# Allegro board Single PMT Data AcquisitionV_3P3.brd (continued)
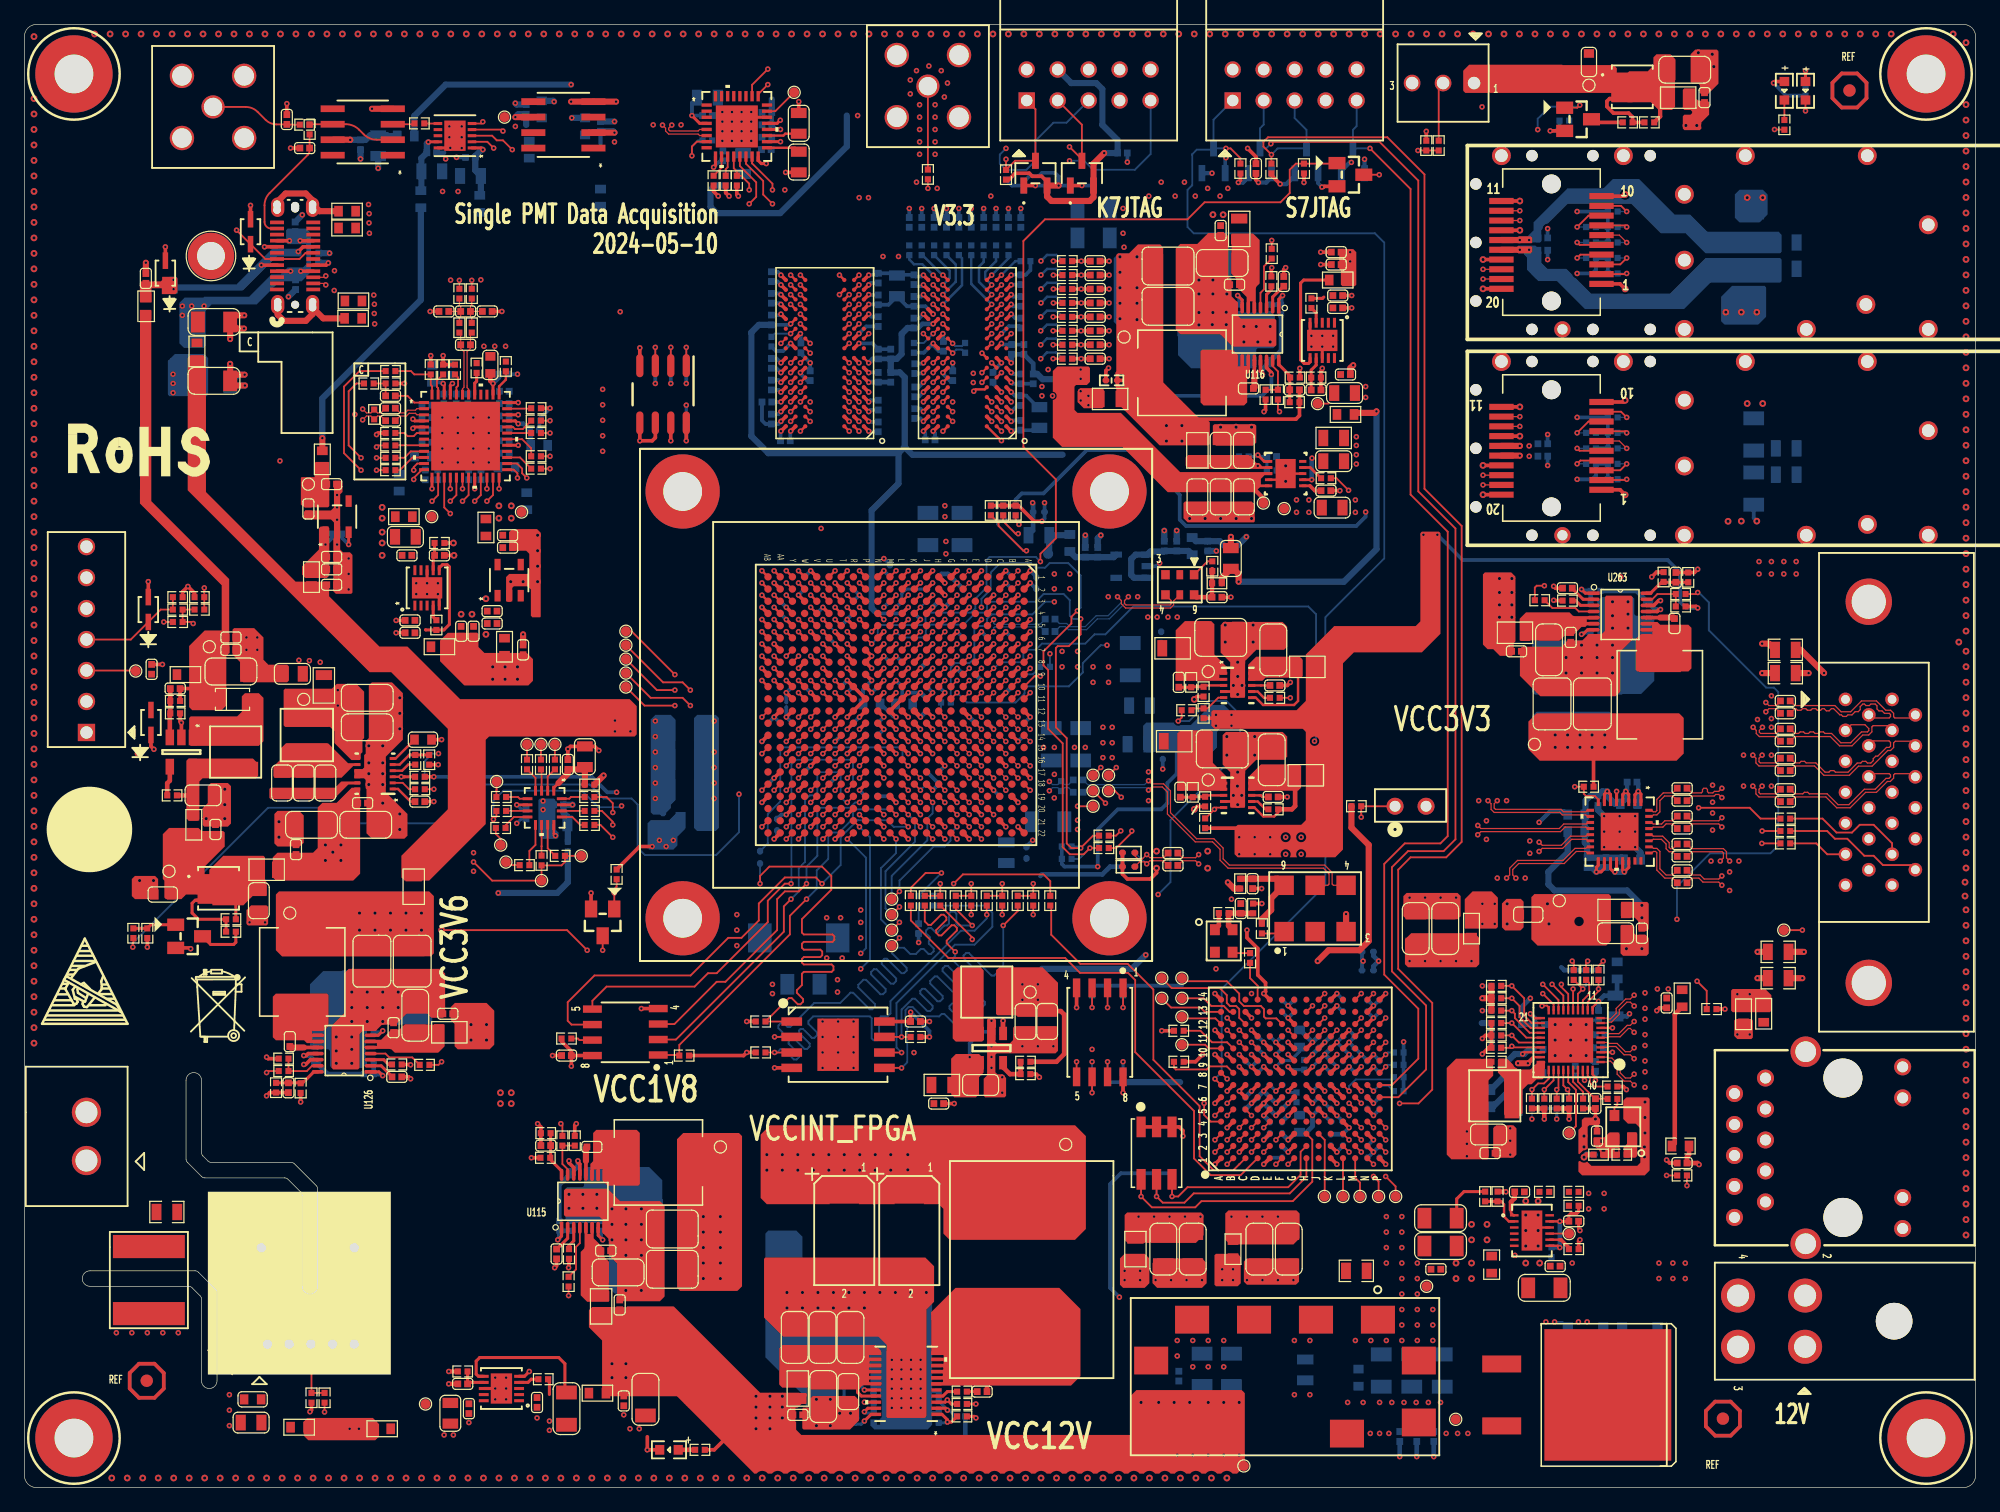
[diagram p0: board, top side]
## Library data of the parts (continued)
C859 = 10UF_1: signal model: SC0402_100NF/10V
C905 C943 C1144 C1158 C1175 C1189 C1202 C1264 C1271 C1347 C2087 C2416 C2417 C2435 C2467 C2468 C2471 = 1UF_0
C908 C944 = 1UF_0: signal model: SC0402_100NF/10V
C939-C942 = 0_01UF_0: signal model: 0_01UF_0_C0402_0.1UF_0.1UF
C1134 C1137-C1139 C1142 C1147 C1149 C1150 C1339 C1349 C2382 C2479 C2962-C2964 = 10UF_2
C2451-C2466 = 0_01UF_1: signal model: 0_01UF_1_C0402_0.1UF_0.1UF
CC1 CC7 CC8 = 680UF_TANT_E_1
CR1 CR4 = PESD3V3L1BA
CR2 CR3 = PESD15VL1BA
D1 = DIODE SCHOTTKY_0
D2-D9 = BAT54CLT1G_2
DS10 DS18 DS24 = LED-GRN-SMT_LED_2
J1 J56 = 10PIN_CONNECTOR_1
J2 = USB4160-03-0230-C
J6 = KRJ-320DNL_1
J18 = POWER_HDR_1
J31 J71 = SMA_3
J60 = Single PMT Socket_3
J61 = HDR_5
J75 = 12226-5150-00FR_camera_conn
J76 = 0022112022
J77 = CON_2
J78 = THS103J
L3 L5-L7 L34-L36 L40-L45 L47 L48 L50-L52 L54 L55 L89-L93 L95 L96 L98-L102 L111 L115 L117 L118 L122 L125 L126 L129-L132 L134 L163 L164 L233 L237 L242-L245 L261 L263 L265 L266 L268 L269 L273 L278-L298 = BLM15HD102SN1_0
L85 = 2773021447_1
L86 L94 L97 L112 L116 L228 L239 L246 = INDUCTOR3_1
MH1-MH5 = HOLE_MH_125_3
P3 P4 = 74441-0010_1
Q1 = 2SK1824_1
Q10 Q15 Q21 Q23 = NDS331N_SOT23_1
Q20 Q22 = CSD25402Q3A_1
R4 R8 R11-R14 R41 R42 R391 R392 R496-R501 R516 R658-R660 R784 R785 R845 R849-R851 R856 R857 R860-R875 R916 R2050 R2104-R2107 R2120 R2121 R2135 R2144-R2151 R2153 = 4_7K_0
R87 = 249_0402
R165 = 100_1
R219-R221 R455 R456 R667 R668 R975 R981 R1033 R1034 R1036-R1050 R1057 R1058 R1062 R1063 R1065 R1068 R1072-R1074 R1076 R1083 R1085 R1086 R1089 R1091 R1098 R1100 R1112-R1114 R1129 R1130 R1138 R1139 R1144 R1146 R1147 R1150 R1196 R1198 R1882 R1883 R1885 R1919 R2036-R2039 R2083 R2097 R2099 R2128-R2130 R2136-R2139 R2152 R2170 = 10_0K_0
R233 R502-R512 R670 R676 R678 R680 = 15_1: signal model: 15_1_R0402
R276 R337-R342 R657 R1928 R2154-R2160 = 1_00K_0
R395 R396 R787 R834 R835 = 261_0
R458 R490 = 100_C402_0
R459 R665 R666 R786 R788-R791 R844 R848 R852-R855 R858 R933 R934 R936 R937 R943-R946 R965-R968 R971-R973 R976-R980 R984 R986 R993 R1059-R1061 R1064 R1066 R1067 R1069-R1071 R1075 R1077-R1080 R1084 R1101 R1115 R1116 R1140-R1143 R1145 R1185 R1197 R1884 R1886 R1918 R1929 R1932 R2034 R2046-R2048 R2084-R2087 R2098 R2102 R2118 R2119 R2122-R2126 R2131-R2134 R2167-R2169 = 0_0
R460-R478 R481 R482 R488 R2140-R2143 = 80_6_0
R479 R480 R483 R484 = 80_6_0: signal model: SR0402-BGA_0
R517 = 4_7K_0: signal model: SR0603_49.9
R669 = 0_0: signal model: SR0603_49.9
R833 = 15_1
R970 R2076 R2077 = 0_0: signal model: R0402
R974 = 49_9_0
R982 R2127 = 100_0
R2116 = 0_1
TP15 TP20 TP30 TP37-TP41 TP43-TP45 TP47-TP49 TP52 TP58 TP60-TP62 TP64 TP65 TP68 TP69 TP77 TP79 TP80 TP83 TP87 TP88 TP90-TP98 TP100-TP106 TP112-TP114 TP116 TP133-TP146 = TEST-POINT_1
U1 = xc7k70tfbg484
U7 = W25Q16DVUUIG_3
U23 = TPS51200DRCT_0
U75 U76 = MT41K512M16TNA-125_2
U79 = TMP75BIDR_1
U88 = XC7S15-1FTGB196I_2
U89 = W25Q16DVUUIG_4
U90 U94 = NZ2520SB_2
U93 = RTL8211F_2
U95 = C9619-01_C10940-03_1
U98 = AD5592RBCPZ-1-RL7_0
U102 = AD9265BCPZ_0
U103 = SIT5021AI-2DE-33E-100_0.000000X
U111 = QPI-12LZ
U112 = LT4356-1_1
U113 = TPS53353DQPR_5
U115 U116 U126 U263 = LT8610EMSE_3
U118 U119 = TPS7A9201DSKR_3
U124 = TLV62565DBVR_1
U127 U129 U133 = LT3045EDDPBF
U130 U132 U272 = R1112NXX1B_0
U134 = HEAT_SINK_5
U236 = TPS63710DRRR_2
U261 = LMR64010XMFE_0
U264 = ADR4520BRZ
U267 = CDCM61001
U268 = AD5542ABCPZ-1-RL7
U269 = ADA4523-1BRZ
U270 = SiT9102AI-23FN33E200.00000Y
U271 = DS90LV804TSQNOPB_0
U273 = AT25M01-SHM-B_1

## Footprints (pads in the part's own frame, mm; a bottom-side part is the same pattern mirrored in y, then rotated)
25AA512T
  rect 0.61x1.549 smd: 1(-1.861,-2.7) 2(-0.591,-2.7) 3(0.679,-2.7) 4(1.949,-2.7) 5(1.905,2.7) 6(0.635,2.7) 7(-0.635,2.7) 8(-1.905,2.7)
10226-55G3PC
  round 3.81 hole 2.794: (-15.63,-1.216) (15.63,-1.216)
  round 1.118 hole 0.711: 1(-7.62,-3.126) 2(-6.35,-1.216) 3(-5.08,-3.126) 4(-3.81,-1.216) 5(-2.54,-3.126) 6(-1.27,-1.216) 7(0,-3.126) 8(1.27,-1.216) 9(2.54,-3.126) 10(3.81,-1.216) 11(5.08,-3.126) 12(6.35,-1.216) 13(7.62,-3.126) 14(-7.62,0.694) 15(-6.35,2.604) 16(-5.08,0.694) 17(-3.81,2.604) 18(-2.54,0.694) 19(-1.27,2.604) 20(0,0.694) 21(1.27,2.604) 22(2.54,0.694) 23(3.81,2.604) 24(5.08,0.694) 25(6.35,2.604) 26(7.62,0.694)
0022112032
  rect 1.372x1.372 hole 1.016: 1(-2.54,0)
  round 1.372 hole 1.016: 2(0,0) 3(2.54,0)
0022112072
  rect 1.422x1.422 hole 1.016: 1(-7.62,0)
  round 1.422 hole 1.016: 2(-5.08,0) 3(-2.54,0) 4(0,0) 5(2.54,0) 6(5.08,0) 7(7.62,0)
0039301040
  round 2.997 hole 2.997: (0,-3.8)
  round 2.794 hole 1.803: 1(-2.1,3.5) 2(2.1,3.5) 3(-2.1,9) 4(2.1,9)
0353130260
  round 2.4 hole 1.8: 1(-1.98,0) 2(1.98,0)
0744410010_0747370010
  round 0.94 hole 0.94 unplated: (22.799,8.58) (22.799,-5.669) (27.501,8.58) (27.501,-5.669) (32.499,8.58) (32.499,-5.669) (37.099,6.251) (37.099,1.45) (37.099,-3.35)
  round 1.549 hole 1.549 unplated: (30.899,6.251) (30.899,-3.35)
  rect 2.007x0.508 smd: 1(26.799,4.849) 2(26.799,4.049) 3(26.799,3.249) 4(26.799,2.449) 5(26.799,1.649) 6(26.799,0.849) 7(26.799,0.049) 8(26.799,-0.751) 9(26.799,-1.551) 10(26.799,-2.351) 11(35.001,-1.95) 12(35.001,-1.15) 13(35.001,-0.35) 14(35.001,0.45) 15(35.001,1.25) 16(35.001,2.05) 17(35.001,2.85) 18(35.001,3.65) 19(35.001,4.45) 20(35.001,5.25)
  round 1.346 hole 0.838: 21(30,8.58)
  round 1.549 hole 1.041: 22(20,8.58) 23(10,8.58) 24(0,8.58) 25(0,0) 26(5.001,-5.669) 27(15.001,-5.669) 28(25.001,-5.669) 29(35.001,-5.669) 30(20,-2.499) 31(20,2.901) 32(4.99,7.688)
0744410010_0747370010#2
  round 0.94 hole 0.94 unplated: (22.799,8.58) (22.799,-5.669) (27.501,8.58) (27.501,-5.669) (32.499,8.58) (32.499,-5.669) (37.099,6.251) (37.099,1.45) (37.099,-3.35)
  round 1.549 hole 1.549 unplated: (30.899,6.251) (30.899,-3.35)
  rect 2.007x0.508 smd: 1(26.799,4.849) 2(26.799,4.049) 3(26.799,3.249) 4(26.799,2.449) 5(26.799,1.649) 6(26.799,0.849) 7(26.799,0.049) 8(26.799,-0.751) 9(26.799,-1.551) 10(26.799,-2.351) 11(35.001,-1.95) 12(35.001,-1.15) 13(35.001,-0.35) 14(35.001,0.45) 15(35.001,1.25) 16(35.001,2.05) 17(35.001,2.85) 18(35.001,3.65) 19(35.001,4.45) 20(35.001,5.25)
  round 1.346 hole 0.838: 21(30,8.58)
  round 1.549 hole 1.041: 22(20,8.58) 23(10,8.58) 24(0,8.58) 25(0,0) 26(5.001,-5.669) 27(15.001,-5.669) 28(25.001,-5.669) 29(35.001,-5.669) 30(20,-2.499) 31(20,2.901) 32(5.117,6.537)
AD5542ABCPZ-1-RL7
  rect 0.711x0.254 smd: 1(-1.397,1) 2(-1.397,0.5) 3(-1.397,0) 4(-1.397,-0.5) 5(-1.397,-1) 6(1.397,-1) 7(1.397,-0.5) 8(1.397,0) 9(1.397,0.5) 10(1.397,1)
  rect 1.753x2.489 smd: 11(0,0)
AD5592RBCPZ-1-RL7
  rect 0.805x0.249 smd: 1(-1.402,0.75) 2(-1.402,0.25) 3(-1.402,-0.25) 4(-1.402,-0.75) 9(1.402,-0.75) 10(1.402,-0.25) 11(1.402,0.25) 12(1.402,0.75)
  rect 0.249x0.805 smd: 5(-0.75,-1.402) 6(-0.25,-1.402) 7(0.25,-1.402) 8(0.75,-1.402) 13(0.75,1.402) 14(0.25,1.402) 15(-0.25,1.402) 16(-0.75,1.402)
AD9265BCPZ
  rect 0.813x0.254 smd: 1(-3.404,2.75) 2(-3.404,2.25) 3(-3.404,1.75) 4(-3.404,1.25) 5(-3.404,0.75) 6(-3.404,0.25) 7(-3.404,-0.25) 8(-3.404,-0.75) 9(-3.404,-1.25) 10(-3.404,-1.75) 11(-3.404,-2.25) 12(-3.404,-2.75) 25(3.404,-2.75) 26(3.404,-2.25) 27(3.404,-1.75) 28(3.404,-1.25) 29(3.404,-0.75) 30(3.404,-0.25) 31(3.404,0.25) 32(3.404,0.75) 33(3.404,1.25) 34(3.404,1.75) 35(3.404,2.25) 36(3.404,2.75)
  rect 0.254x0.813 smd: 13(-2.75,-3.404) 14(-2.25,-3.404) 15(-1.75,-3.404) 16(-1.25,-3.404) 17(-0.75,-3.404) 18(-0.25,-3.404) 19(0.25,-3.404) 20(0.75,-3.404) 21(1.25,-3.404) 22(1.75,-3.404) 23(2.25,-3.404) 24(2.75,-3.404) 37(2.75,3.404) 38(2.25,3.404) 39(1.75,3.404) 40(1.25,3.404) 41(0.75,3.404) 42(0.25,3.404) 43(-0.25,3.404) 44(-0.75,3.404) 45(-1.25,3.404) 46(-1.75,3.404) 47(-2.25,3.404) 48(-2.75,3.404)
  rect 5.639x5.639 smd: 49(0,0)
ADA4523-1BRZ
  rect 1.981x0.551 smd: 1(-2.465,1.905) 2(-2.465,0.635) 3(-2.465,-0.635) 4(-2.465,-1.905) 5(2.465,-1.905) 6(2.465,-0.635) 7(2.465,0.635) 8(2.465,1.905)
ADP150AUJZ
  rect 0.953x0.508 smd: 1(-1.276,0.95) 2(-1.276,0) 3(-1.276,-0.95) 4(1.276,-0.95) 5(1.276,0.95)
ADR4525BRZ
  rect 1.981x0.559 smd: 1(-2.464,1.905) 2(-2.464,0.635) 3(-2.464,-0.635) 4(-2.464,-1.905) 5(2.464,-1.905) 6(2.464,-0.635) 7(2.464,0.635) 8(2.464,1.905)
ATS-08D-51-C2-R0
  round 6.096 hole 3.175: 1(-17.5,17.5) 2(17.5,17.5) 3(17.5,-17.5) 4(-17.5,-17.5)
C0402
  rect 0.559x0.559 smd: 1(-0.4,0) 2(0.4,0)
C0402_BGA
  custom 0.559x0.508 smd: 1(-0.47,0) 2(0.47,0)
C0603
  rect 0.711x0.838 smd: 1(-0.7,0) 2(0.7,0)
C0805
  rect 0.838x1.295 smd: 1(-0.85,0) 2(0.85,0)
C1206
  rect 1.143x1.702 smd: 1(-1.325,0) 2(1.325,0)
C1210
  rect 0.94x2.591 smd: 1(-1.4,0) 2(1.4,0)
C2220
  rect 1.9x5.9 smd: 1(-2.75,0) 2(2.75,0)
C2917X
  rect 2.388x1.93 smd: 1(0,-3.193) 2(0,3.193)
C10940-03
  round 1.168 hole 0.762: 1(-3.302,-3.95) 2(-1.524,-3.95) 3(0.254,-3.95) 4(2.032,-3.95) 5(3.81,-3.95) 6(3.81,3.95) 7(-3.81,3.95)
CDCM61001
  rect 0.85x0.28 smd: 1(-2.475,1.75) 2(-2.475,1.25) 3(-2.475,0.75) 4(-2.475,0.25) 5(-2.475,-0.25) 6(-2.475,-0.75) 7(-2.475,-1.25) 8(-2.475,-1.75) 17(2.475,-1.75) 18(2.475,-1.25) 19(2.475,-0.75) 20(2.475,-0.25) 21(2.475,0.25) 22(2.475,0.75) 23(2.475,1.25) 24(2.475,1.75)
  rect 0.28x0.85 smd: 9(-1.751,-2.475) 10(-1.25,-2.475) 11(-0.75,-2.475) 12(-0.25,-2.475) 13(0.25,-2.475) 14(0.75,-2.475) 15(1.25,-2.475) 16(1.751,-2.475) 25(1.751,2.475) 26(1.25,2.475) 27(0.75,2.475) 28(0.25,2.475) 29(-0.25,2.475) 30(-0.75,2.475) 31(-1.25,2.475) 32(-1.751,2.475)
  rect 3.45x3.45 smd: 33(0,0)
CON_2
  round 1.397 hole 0.889: 1(-1.27,0) 2(1.27,0)
CONN_USB4160-03-0230-C_GCT
  round 0.66 hole 0.658 unplated: (-4,0) (3.898,0) (4.102,0)
  oval 1.6x1.092 smd: 25(-4,1.43) 26(4,1.43) 27(-4,-1.43) 28(4,-1.43)
  rect 0.305x1.143 smd: A1(-2.75,1.485) A2(-2.25,1.485) A3(-1.75,1.485) A4(-1.25,1.485) A5(-0.75,1.485) A6(-0.25,1.485) A7(0.25,1.485) A8(0.75,1.485) A9(1.25,1.485) A10(1.75,1.485) A11(2.25,1.485) A12(2.75,1.485) B1(2.75,-1.485) B2(2.25,-1.485) B3(1.75,-1.485) B4(1.25,-1.485) B5(0.75,-1.485) B6(0.25,-1.485) B7(-0.25,-1.485) B8(-0.75,-1.485) B9(-1.25,-1.485) B10(-1.75,-1.485) B11(-2.25,-1.485) B12(-2.75,-1.485)
  round 0.61 hole 0.607: S_2_H1(-3.759,1.43) S_2_H2(-4.241,1.43) S_3_H1(4.241,1.485) S_3_H2(3.759,1.485) S_4_H1(-3.759,-1.43) S_4_H2(-4.241,-1.43) S_5_H1(4.241,-1.43) S_5_H2(3.759,-1.43)
CSD25402
  rect 0.61x0.305 smd: 1(-1.549,0.975) 2(-1.549,0.325) 3(-1.549,-0.325) 4(-1.549,-0.975)
  custom 2.388x2.438 smd: 5(-0.533,-0.051)
DS90LV804TSQ
  rect 0.61x0.254 smd: 1(-2.4,1.75) 2(-2.4,1.25) 3(-2.4,0.75) 4(-2.4,0.25) 5(-2.4,-0.25) 6(-2.4,-0.75) 7(-2.4,-1.25) 8(-2.4,-1.75) 17(2.4,-1.75) 18(2.4,-1.25) 19(2.4,-0.75) 20(2.4,-0.25) 21(2.4,0.25) 22(2.4,0.75) 23(2.4,1.25) 24(2.4,1.75)
  rect 0.254x0.61 smd: 9(-1.75,-2.4) 10(-1.25,-2.4) 11(-0.75,-2.4) 12(-0.25,-2.4) 13(0.25,-2.4) 14(0.75,-2.4) 15(1.25,-2.4) 16(1.75,-2.4) 25(1.75,2.4) 26(1.25,2.4) 27(0.75,2.4) 28(0.25,2.4) 29(-0.25,2.4) 30(-0.75,2.4) 31(-1.25,2.4) 32(-1.75,2.4)
  rect 3.099x3.099 smd: 33(0,0)
ECS-2520MV
  rect 0.914x0.813 smd: 1(0.925,0.725) 2(-0.925,0.725) 3(-0.925,-0.725) 4(0.925,-0.725)
IHLP_2525CZ_01
  rect 1.829x3.429 smd: 1(-2.77,0) 2(2.77,0)
KRJ-320DNL_14P
  round 3.2 hole 3.2 unplated: (-5.715,0) (5.715,0)
  round 1.4 hole 0.9: 1(-5.715,8.89) 2(-4.445,6.35) 3(-3.175,8.89) 4(-1.905,6.35) 5(-0.635,8.89) 6(0.635,6.35) 7(1.905,8.89) 8(3.175,6.35) 9(4.445,8.89) 10(5.715,6.35) 11(-6.63,-4.9) 12(-4.09,-4.9) 13(4.09,-4.9) 14(6.63,-4.9)
  round 2.5 hole 1.7: 17(7.875,3.05) 18(-7.875,3.05)
L0402
  rect 0.508x0.508 smd: 1(-0.4,0) 2(0.4,0)
L0603
  rect 0.711x0.889 smd: 1(-0.7,0) 2(0.7,0)
L0805
  rect 0.813x1.346 smd: 1(-0.85,0) 2(0.85,0)
LED_0603
  rect 0.76x0.8 smd: 1(-0.759,0) 2(0.759,0)
LMR64010
  rect 1.3x0.7 smd: 1(-1.2,0.95) 2(-1.2,0) 3(-1.2,-0.95) 4(1.2,-0.95) 5(1.2,0.95)
LT3045EDD
  rect 0.813x0.254 smd: 1(-1.448,1) 2(-1.448,0.5) 3(-1.448,0) 4(-1.448,-0.5) 5(-1.448,-1) 6(1.448,-1) 7(1.448,-0.5) 8(1.448,0) 9(1.448,0.5) 10(1.448,1)
  rect 1.753x2.489 smd: 11(0,0)
LT4356HDE-1
  rect 0.711x0.203 smd: 1(-1.449,1.25) 2(-1.449,0.75) 3(-1.449,0.25) 4(-1.449,-0.25) 5(-1.449,-0.75) 6(-1.449,-1.25) 7(1.449,-1.25) 8(1.449,-0.75) 9(1.449,-0.25) 10(1.449,0.25) 11(1.449,0.75) 12(1.449,1.25)
  rect 1.702x3.302 smd: 13(0,0)
LT8610AC
  rect 0.305x0.991 smd: 1(-1.75,-2.17)
  oval 0.305x0.991 smd: 2(-1.25,-2.17) 3(-0.75,-2.17) 4(-0.25,-2.17) 5(0.25,-2.17) 6(0.75,-2.17) 7(1.25,-2.17) 8(1.75,-2.17) 9(1.75,2.17) 10(1.25,2.17) 11(0.75,2.17) 12(0.25,2.17) 13(-0.25,2.17) 14(-0.75,2.17) 15(-1.25,2.17) 16(-1.75,2.17)
  rect 2.845x1.65 smd: 17(0,0)
MBR0530
  rect 1.194x0.889 smd: 1(-1.6,0) 2(1.6,0)
MH_150H90
  round 3.81 hole 2.286: 1(0,0)
MH_250H125
  round 6.35 hole 3.175: 1(0,0)
MT25QU512ABB1EW9
  rect 1.7x0.7 smd: 1(-3.8,1.9) 2(-3.8,0.64) 3(-3.8,-0.64) 4(-3.8,-1.9) 5(3.8,-1.9) 6(3.8,-0.64) 7(3.8,0.64) 8(3.8,1.9)
  rect 3.4x4.3 smd: 9(0,0)
MT41K512M16VRP
  round 0.35 smd: A1(-3.2,6) A2(-2.4,6) A3(-1.6,6) A7(1.6,6) A8(2.4,6) A9(3.2,6) B1(-3.2,5.199) B2(-2.4,5.199) B3(-1.6,5.199) B7(1.6,5.199) B8(2.4,5.199) B9(3.2,5.199) C1(-3.2,4.399) C2(-2.4,4.399) C3(-1.6,4.399) C7(1.6,4.399) C8(2.4,4.399) C9(3.2,4.399) D1(-3.2,3.599) D2(-2.4,3.599) D3(-1.6,3.599) D7(1.6,3.599) D8(2.4,3.599) D9(3.2,3.599) E1(-3.2,2.799) E2(-2.4,2.799) E3(-1.6,2.799) E7(1.6,2.799) E8(2.4,2.799) E9(3.2,2.799) F1(-3.2,1.999) F2(-2.4,1.999) F3(-1.6,1.999) F7(1.6,1.999) F8(2.4,1.999) F9(3.2,1.999) G1(-3.2,1.199) G2(-2.4,1.199) G3(-1.6,1.199) G7(1.6,1.199) G8(2.4,1.199) G9(3.2,1.199) H1(-3.2,0.399) H2(-2.4,0.399) H3(-1.6,0.399) H7(1.6,0.399) H8(2.4,0.399) H9(3.2,0.399) J1(-3.2,-0.399) J2(-2.4,-0.399) J3(-1.6,-0.399) J7(1.6,-0.399) J8(2.4,-0.399) J9(3.2,-0.399) K1(-3.2,-1.199) K2(-2.4,-1.199) K3(-1.6,-1.199) K7(1.6,-1.199) K8(2.4,-1.199) K9(3.2,-1.199) L1(-3.2,-1.999) L2(-2.4,-1.999) L3(-1.6,-1.999) L7(1.6,-1.999) L8(2.4,-1.999) L9(3.2,-1.999) M1(-3.2,-2.799) M2(-2.4,-2.799) M3(-1.6,-2.799) M7(1.6,-2.799) M8(2.4,-2.799) M9(3.2,-2.799) N1(-3.2,-3.599) N2(-2.4,-3.599) N3(-1.6,-3.599) N7(1.6,-3.599) N8(2.4,-3.599) N9(3.2,-3.599) P1(-3.2,-4.399) P2(-2.4,-4.399) P3(-1.6,-4.399) P7(1.6,-4.399) P8(2.4,-4.399) P9(3.2,-4.399) R1(-3.2,-5.199) R2(-2.4,-5.199) R3(-1.6,-5.199) R7(1.6,-5.199) R8(2.4,-5.199) R9(3.2,-5.199) T1(-3.2,-6) T2(-2.4,-6) T3(-1.6,-6) T7(1.6,-6) T8(2.4,-6) T9(3.2,-6)
NDS331N
  rect 1.016x1.397 smd: 1(-0.95,-1.1) 2(0.95,-1.1) 3(0,1.1)
NRS4018T2R2MDGJ
  rect 1.2x3.7 smd: 1(-1.4,0) 2(1.4,0)
PA0513_441NLT
  rect 3.175x7.62 smd: 1(-6.195,0) 2(5.995,0)
PESD3V3L1BA
  rect 1.359x0.457 smd: 1(-1.022,0) 2(1.022,0)
PESD15VL1BA
  rect 1.359x0.457 smd: 1(-1.022,0) 2(1.022,0)
PSMN1R1
  rect 10.795x10.414 smd: D(0,1.016)
  rect 1.4x3.2 smd: G(-2.54,-7.684) S(2.54,-7.684)
QPI-12LZ
  rect 2.794x2.286 smd: 1(-7.62,-4.674) 2(-2.54,-4.674) 3(2.54,-4.674) 4(7.62,-4.674) 5(10.973,-1.321) 6(10.973,3.759) 7(5.08,4.674) 8(-5.08,4.674) 9(-10.973,3.759) 10(-10.973,-1.321)
R0402
  rect 0.508x0.508 smd: 1(-0.4,0) 2(0.4,0)
R0402_BGA
  custom 0.559x0.508 smd: 1(-0.508,0) 2(0.508,0)
R0603
  rect 0.711x0.889 smd: 1(-0.7,0) 2(0.7,0)
R0805
  rect 0.813x1.346 smd: 1(-0.85,0) 2(0.85,0)
R1206
  rect 0.838x1.702 smd: 1(-1.45,0) 2(1.45,0)
RF2-04A-T-00-50-G
  round 1.905 hole 1.499: 1(0,0)
  round 2.007 hole 1.6: 2(2.55,-2.55) 3(2.55,2.55) 4(-2.55,2.55) 5(-2.55,-2.55)
RTL8211FI-CG
  rect 0.7x0.2 smd: 1(-2.45,1.8) 2(-2.45,1.4) 3(-2.45,1) 4(-2.45,0.6) 5(-2.45,0.2) 6(-2.45,-0.2) 7(-2.45,-0.6) 8(-2.45,-1) 9(-2.45,-1.4) 10(-2.45,-1.8) 21(2.45,-1.8) 22(2.45,-1.4) 23(2.45,-1) 24(2.45,-0.6) 25(2.45,-0.2) 26(2.45,0.2) 27(2.45,0.6) 28(2.45,1) 29(2.45,1.4) 30(2.45,1.8)
  rect 0.2x0.7 smd: 11(-1.8,-2.45) 12(-1.4,-2.45) 13(-1,-2.45) 14(-0.6,-2.45) 15(-0.2,-2.45) 16(0.2,-2.45) 17(0.6,-2.45) 18(1,-2.45) 19(1.4,-2.45) 20(1.8,-2.45) 31(1.8,2.45) 32(1.4,2.45) 33(1,2.45) 34(0.6,2.45) 35(0.2,2.45) 36(-0.2,2.45) 37(-0.6,2.45) 38(-1,2.45) 39(-1.4,2.45) 40(-1.8,2.45)
  rect 3.7x3.7 smd: 41(0,0)
SBH11-PBPC-D05-ST-BK
  rect 1.346x1.346 hole 0.94: 1(-5.08,-1.27)
  round 1.346 hole 0.94: 2(-5.08,1.27) 3(-2.54,-1.27) 4(-2.54,1.27) 5(0,-1.27) 6(0,1.27) 7(2.54,-1.27) 8(2.54,1.27) 9(5.08,-1.27) 10(5.08,1.27)
SIT5021
  rect 1.6x1.6 smd: 1(-2.54,-1.9) 2(0,-1.9) 3(2.54,-1.9) 4(2.54,1.9) 5(0,1.9) 6(-2.54,1.9)
SMD-3225
  rect 0.711x0.762 smd: 1(-1.175,-0.825) 3(1.175,-0.825) 4(1.175,0.825) 6(-1.175,0.825)
  rect 0.559x0.762 smd: 2(0,-0.825) 5(0,0.825)
SOT-23
  rect 0.559x1.321 smd: 1(-0.953,-1.016) 2(0.953,-1.016) 3(0,1.016)
THS103J
  rect 0.76x1.7 smd: 1(-1.27,2.15) 2(0,2.15) 3(1.27,2.15) 4(1.27,-2.15) 5(0,-2.15) 6(-1.27,-2.15)
TLV62565DBVR
  rect 1.1x0.65 smd: 1(-1.2,0.95) 2(-1.2,0) 3(-1.2,-0.95) 4(1.2,-0.95) 5(1.2,0.95)
TMP75BID
  oval 1.9x0.6 smd: 1(-2.35,1.905) 2(-2.35,0.635) 3(-2.35,-0.635) 4(-2.35,-1.905) 5(2.35,-1.905) 6(2.35,-0.635) 7(2.35,0.635) 8(2.35,1.905)
TP0_8
  round 0.822 smd: 1(0,0)
TPS7A9201DSKR
  rect 0.6x0.25 smd: 1(-1.15,1) 2(-1.15,0.5) 3(-1.15,0) 4(-1.15,-0.5) 5(-1.15,-1) 6(1.15,-1) 7(1.15,-0.5) 8(1.15,0) 9(1.15,0.5) 10(1.15,1)
  rect 1.2x2 smd: 11(0,0)
TPS51200DRC
  rect 0.6x0.24 smd: 1(-1.4,1) 2(-1.4,0.5) 3(-1.4,0) 4(-1.4,-0.5) 5(-1.4,-1) 6(1.4,-1) 7(1.4,-0.5) 8(1.4,0) 9(1.4,0.5) 10(1.4,1)
  rect 1.65x2.4 smd: 11(0,0)
TPS53353DQP
  rect 0.85x0.28 smd: 1(-2.475,2.5) 2(-2.475,2) 3(-2.475,1.5) 4(-2.475,1) 5(-2.475,0.5) 6(-2.475,0) 7(-2.475,-0.5) 8(-2.475,-1) 9(-2.475,-1.5) 10(-2.475,-2) 11(-2.475,-2.5) 12(2.475,-2.5) 13(2.475,-2) 14(2.475,-1.5) 15(2.475,-1) 16(2.475,-0.5) 17(2.475,0) 18(2.475,0.5) 19(2.475,1) 20(2.475,1.5) 21(2.475,2) 22(2.475,2.5)
  rect 3.24x5.479 smd: 23(0,0)
TPS63710DRRR
  rect 0.5x0.25 smd: 1(-1.45,1.25) 2(-1.45,0.75) 3(-1.45,0.25) 4(-1.45,-0.25) 5(-1.45,-0.75) 6(-1.45,-1.25) 7(1.45,-1.25) 8(1.45,-0.75) 9(1.45,-0.25) 10(1.45,0.25) 11(1.45,0.75) 12(1.45,1.25)
  rect 1.5x2.5 smd: 13(0,0)
unnamed#2
  round 1.016 smd: 1(0,0)
W25Q128FVSIG
  rect 0.61x1.549 smd: 1(-1.905,-3.65) 2(-0.635,-3.65) 3(0.635,-3.65) 4(1.905,-3.65) 5(1.905,3.65) 6(0.635,3.65) 7(-0.635,3.65) 8(-1.905,3.65)
XC7K70T2FBG484I
  round 0.61 smd: A1(-10.5,10.5) A2(-9.5,10.5) A3(-8.5,10.5) A4(-7.5,10.5) A5(-6.5,10.5) A6(-5.5,10.5) A7(-4.5,10.5) A8(-3.5,10.5) A9(-2.5,10.5) A10(-1.5,10.5) A11(-0.5,10.5) A12(0.5,10.5) A13(1.5,10.5) A14(2.5,10.5) A15(3.5,10.5) A16(4.5,10.5) A17(5.5,10.5) A18(6.5,10.5) A19(7.5,10.5) A20(8.5,10.5) A21(9.5,10.5) A22(10.5,10.5) AA1(-10.5,-9.5) AA2(-9.5,-9.5) AA3(-8.5,-9.5) AA4(-7.5,-9.5) AA5(-6.5,-9.5) AA6(-5.5,-9.5) AA7(-4.5,-9.5) AA8(-3.5,-9.5) AA9(-2.5,-9.5) AA10(-1.5,-9.5) AA11(-0.5,-9.5) AA12(0.5,-9.5) AA13(1.5,-9.5) AA14(2.5,-9.5) AA15(3.5,-9.5) AA16(4.5,-9.5) AA17(5.5,-9.5) AA18(6.5,-9.5) AA19(7.5,-9.5) AA20(8.5,-9.5) AA21(9.5,-9.5) AA22(10.5,-9.5) AB1(-10.5,-10.5) AB2(-9.5,-10.5) AB3(-8.5,-10.5) AB4(-7.5,-10.5) AB5(-6.5,-10.5) AB6(-5.5,-10.5) AB7(-4.5,-10.5) AB8(-3.5,-10.5) AB9(-2.5,-10.5) AB10(-1.5,-10.5) AB11(-0.5,-10.5) AB12(0.5,-10.5) AB13(1.5,-10.5) AB14(2.5,-10.5) AB15(3.5,-10.5) AB16(4.5,-10.5) AB17(5.5,-10.5) AB18(6.5,-10.5) AB19(7.5,-10.5) AB20(8.5,-10.5) AB21(9.5,-10.5) AB22(10.5,-10.5) B1(-10.5,9.5) B2(-9.5,9.5) B3(-8.5,9.5) B4(-7.5,9.5) B5(-6.5,9.5) B6(-5.5,9.5) B7(-4.5,9.5) B8(-3.5,9.5) B9(-2.5,9.5) B10(-1.5,9.5) B11(-0.5,9.5) B12(0.5,9.5) B13(1.5,9.5) B14(2.5,9.5) B15(3.5,9.5) B16(4.5,9.5) B17(5.5,9.5) B18(6.5,9.5) B19(7.5,9.5) B20(8.5,9.5) B21(9.5,9.5) B22(10.5,9.5) C1(-10.5,8.5) C2(-9.5,8.5) C3(-8.5,8.5) C4(-7.5,8.5) C5(-6.5,8.5) C6(-5.5,8.5) C7(-4.5,8.5) C8(-3.5,8.5) C9(-2.5,8.5) C10(-1.5,8.5) C11(-0.5,8.5) C12(0.5,8.5) C13(1.5,8.5) C14(2.5,8.5) C15(3.5,8.5) C16(4.5,8.5) C17(5.5,8.5) C18(6.5,8.5) C19(7.5,8.5) C20(8.5,8.5) C21(9.5,8.5) C22(10.5,8.5) D1(-10.5,7.5) D2(-9.5,7.5) D3(-8.5,7.5) D4(-7.5,7.5) D5(-6.5,7.5) D6(-5.5,7.5) D7(-4.5,7.5) D8(-3.5,7.5) D9(-2.5,7.5) D10(-1.5,7.5) D11(-0.5,7.5) D12(0.5,7.5) D13(1.5,7.5) D14(2.5,7.5) D15(3.5,7.5) D16(4.5,7.5) D17(5.5,7.5) D18(6.5,7.5) D19(7.5,7.5) D20(8.5,7.5) D21(9.5,7.5) D22(10.5,7.5) E1(-10.5,6.5) E2(-9.5,6.5) E3(-8.5,6.5) E4(-7.5,6.5) E5(-6.5,6.5) E6(-5.5,6.5) E7(-4.5,6.5) E8(-3.5,6.5) E9(-2.5,6.5) E10(-1.5,6.5) E11(-0.5,6.5) E12(0.5,6.5) E13(1.5,6.5) E14(2.5,6.5) E15(3.5,6.5) E16(4.5,6.5) E17(5.5,6.5) E18(6.5,6.5) E19(7.5,6.5) E20(8.5,6.5) E21(9.5,6.5) E22(10.5,6.5) F1(-10.5,5.5) F2(-9.5,5.5) F3(-8.5,5.5) F4(-7.5,5.5) F5(-6.5,5.5) F6(-5.5,5.5) F7(-4.5,5.5) F8(-3.5,5.5) F9(-2.5,5.5) F10(-1.5,5.5) F11(-0.5,5.5) F12(0.5,5.5) F13(1.5,5.5) F14(2.5,5.5) F15(3.5,5.5) F16(4.5,5.5) F17(5.5,5.5) F18(6.5,5.5) F19(7.5,5.5) F20(8.5,5.5) F21(9.5,5.5) F22(10.5,5.5) G1(-10.5,4.5) G2(-9.5,4.5) G3(-8.5,4.5) G4(-7.5,4.5) G5(-6.5,4.5) G6(-5.5,4.5) G7(-4.5,4.5) G8(-3.5,4.5) G9(-2.5,4.5) G10(-1.5,4.5) G11(-0.5,4.5) G12(0.5,4.5) G13(1.5,4.5) G14(2.5,4.5) G15(3.5,4.5) G16(4.5,4.5) G17(5.5,4.5) G18(6.5,4.5) G19(7.5,4.5) G20(8.5,4.5) G21(9.5,4.5) G22(10.5,4.5) H1(-10.5,3.5) H2(-9.5,3.5) H3(-8.5,3.5) H4(-7.5,3.5) H5(-6.5,3.5) H6(-5.5,3.5) H7(-4.5,3.5) H8(-3.5,3.5) H9(-2.5,3.5) H10(-1.5,3.5) H11(-0.5,3.5) H12(0.5,3.5) H13(1.5,3.5) H14(2.5,3.5) H15(3.5,3.5) H16(4.5,3.5) H17(5.5,3.5) H18(6.5,3.5) H19(7.5,3.5) H20(8.5,3.5) H21(9.5,3.5) H22(10.5,3.5) J1(-10.5,2.5) J2(-9.5,2.5) J3(-8.5,2.5) J4(-7.5,2.5) J5(-6.5,2.5) J6(-5.5,2.5) J7(-4.5,2.5) J8(-3.5,2.5) J9(-2.5,2.5) J10(-1.5,2.5) J11(-0.5,2.5) J12(0.5,2.5) J13(1.5,2.5) J14(2.5,2.5) J15(3.5,2.5) J16(4.5,2.5) J17(5.5,2.5) J18(6.5,2.5) J19(7.5,2.5) J20(8.5,2.5) J21(9.5,2.5) J22(10.5,2.5) K1(-10.5,1.5) K2(-9.5,1.5) K3(-8.5,1.5) K4(-7.5,1.5) K5(-6.5,1.5) K6(-5.5,1.5) K7(-4.5,1.5) K8(-3.5,1.5) K9(-2.5,1.5) K10(-1.5,1.5) K11(-0.5,1.5) K12(0.5,1.5) K13(1.5,1.5) K14(2.5,1.5) K15(3.5,1.5) K16(4.5,1.5) K17(5.5,1.5) K18(6.5,1.5) K19(7.5,1.5) K20(8.5,1.5) K21(9.5,1.5) K22(10.5,1.5) L1(-10.5,0.5) L2(-9.5,0.5) L3(-8.5,0.5) L4(-7.5,0.5) L5(-6.5,0.5) L6(-5.5,0.5) L7(-4.5,0.5) L8(-3.5,0.5) L9(-2.5,0.5) L10(-1.5,0.5) L11(-0.5,0.5) L12(0.5,0.5) L13(1.5,0.5) L14(2.5,0.5) L15(3.5,0.5) L16(4.5,0.5) L17(5.5,0.5) L18(6.5,0.5) L19(7.5,0.5) L20(8.5,0.5) L21(9.5,0.5) L22(10.5,0.5) M1(-10.5,-0.5) M2(-9.5,-0.5) M3(-8.5,-0.5) M4(-7.5,-0.5) M5(-6.5,-0.5) M6(-5.5,-0.5) M7(-4.5,-0.5) M8(-3.5,-0.5) M9(-2.5,-0.5) M10(-1.5,-0.5) M11(-0.5,-0.5) M12(0.5,-0.5) M13(1.5,-0.5) M14(2.5,-0.5) M15(3.5,-0.5) M16(4.5,-0.5) M17(5.5,-0.5) M18(6.5,-0.5) M19(7.5,-0.5) M20(8.5,-0.5) M21(9.5,-0.5) M22(10.5,-0.5) N1(-10.5,-1.5) N2(-9.5,-1.5) N3(-8.5,-1.5) N4(-7.5,-1.5) N5(-6.5,-1.5) N6(-5.5,-1.5) N7(-4.5,-1.5) N8(-3.5,-1.5) N9(-2.5,-1.5) N10(-1.5,-1.5) N11(-0.5,-1.5) N12(0.5,-1.5) N13(1.5,-1.5) N14(2.5,-1.5) N15(3.5,-1.5) N16(4.5,-1.5) N17(5.5,-1.5) N18(6.5,-1.5) N19(7.5,-1.5) N20(8.5,-1.5) N21(9.5,-1.5) N22(10.5,-1.5) P1(-10.5,-2.5) P2(-9.5,-2.5) P3(-8.5,-2.5) P4(-7.5,-2.5) P5(-6.5,-2.5) P6(-5.5,-2.5) P7(-4.5,-2.5) P8(-3.5,-2.5) P9(-2.5,-2.5) P10(-1.5,-2.5) P11(-0.5,-2.5) P12(0.5,-2.5) P13(1.5,-2.5) P14(2.5,-2.5) P15(3.5,-2.5) P16(4.5,-2.5) P17(5.5,-2.5) P18(6.5,-2.5) P19(7.5,-2.5) P20(8.5,-2.5) P21(9.5,-2.5) P22(10.5,-2.5) R1(-10.5,-3.5) R2(-9.5,-3.5) R3(-8.5,-3.5) R4(-7.5,-3.5) R5(-6.5,-3.5) R6(-5.5,-3.5) R7(-4.5,-3.5) R8(-3.5,-3.5) R9(-2.5,-3.5) R10(-1.5,-3.5) R11(-0.5,-3.5) R12(0.5,-3.5) R13(1.5,-3.5) R14(2.5,-3.5) R15(3.5,-3.5) R16(4.5,-3.5) R17(5.5,-3.5) R18(6.5,-3.5) R19(7.5,-3.5) R20(8.5,-3.5) R21(9.5,-3.5) R22(10.5,-3.5) T1(-10.5,-4.5) T2(-9.5,-4.5) T3(-8.5,-4.5) T4(-7.5,-4.5) T5(-6.5,-4.5) T6(-5.5,-4.5) T7(-4.5,-4.5) T8(-3.5,-4.5) T9(-2.5,-4.5) T10(-1.5,-4.5) T11(-0.5,-4.5) T12(0.5,-4.5) T13(1.5,-4.5) T14(2.5,-4.5) T15(3.5,-4.5) T16(4.5,-4.5) T17(5.5,-4.5) T18(6.5,-4.5) T19(7.5,-4.5) T20(8.5,-4.5) T21(9.5,-4.5) T22(10.5,-4.5) U1(-10.5,-5.5) U2(-9.5,-5.5) U3(-8.5,-5.5) U4(-7.5,-5.5) U5(-6.5,-5.5) U6(-5.5,-5.5) U7(-4.5,-5.5) U8(-3.5,-5.5) U9(-2.5,-5.5) U10(-1.5,-5.5) U11(-0.5,-5.5) U12(0.5,-5.5) U13(1.5,-5.5) U14(2.5,-5.5) U15(3.5,-5.5) U16(4.5,-5.5) U17(5.5,-5.5) U18(6.5,-5.5) U19(7.5,-5.5) U20(8.5,-5.5) U21(9.5,-5.5) U22(10.5,-5.5) V1(-10.5,-6.5) V2(-9.5,-6.5) V3(-8.5,-6.5) V4(-7.5,-6.5) V5(-6.5,-6.5) V6(-5.5,-6.5) V7(-4.5,-6.5) V8(-3.5,-6.5) V9(-2.5,-6.5) V10(-1.5,-6.5) V11(-0.5,-6.5) V12(0.5,-6.5) V13(1.5,-6.5) V14(2.5,-6.5) V15(3.5,-6.5) V16(4.5,-6.5) V17(5.5,-6.5) V18(6.5,-6.5) V19(7.5,-6.5) V20(8.5,-6.5) V21(9.5,-6.5) V22(10.5,-6.5) W1(-10.5,-7.5) W2(-9.5,-7.5) W3(-8.5,-7.5) W4(-7.5,-7.5) W5(-6.5,-7.5) W6(-5.5,-7.5) W7(-4.5,-7.5) W8(-3.5,-7.5) W9(-2.5,-7.5) W10(-1.5,-7.5) W11(-0.5,-7.5) W12(0.5,-7.5) W13(1.5,-7.5) W14(2.5,-7.5) W15(3.5,-7.5) W16(4.5,-7.5) W17(5.5,-7.5) W18(6.5,-7.5) W19(7.5,-7.5) W20(8.5,-7.5) W21(9.5,-7.5) W22(10.5,-7.5) Y1(-10.5,-8.5) Y2(-9.5,-8.5) Y3(-8.5,-8.5) Y4(-7.5,-8.5) Y5(-6.5,-8.5) Y6(-5.5,-8.5) Y7(-4.5,-8.5) Y8(-3.5,-8.5) Y9(-2.5,-8.5) Y10(-1.5,-8.5) Y11(-0.5,-8.5) Y12(0.5,-8.5) Y13(1.5,-8.5) Y14(2.5,-8.5) Y15(3.5,-8.5) Y16(4.5,-8.5) Y17(5.5,-8.5) Y18(6.5,-8.5) Y19(7.5,-8.5) Y20(8.5,-8.5) Y21(9.5,-8.5) Y22(10.5,-8.5)
XC7S15-1FTGB196I
  round 0.508 smd: A1(-6.5,6.5) A2(-5.5,6.5) A3(-4.5,6.5) A4(-3.5,6.5) A5(-2.5,6.5) A6(-1.5,6.5) A7(-0.5,6.5) A8(0.5,6.5) A9(1.5,6.5) A10(2.5,6.5) A11(3.5,6.5) A12(4.5,6.5) A13(5.5,6.5) A14(6.5,6.5) B1(-6.5,5.5) B2(-5.5,5.5) B3(-4.5,5.5) B4(-3.5,5.5) B5(-2.5,5.5) B6(-1.5,5.5) B7(-0.5,5.5) B8(0.5,5.5) B9(1.5,5.5) B10(2.5,5.5) B11(3.5,5.5) B12(4.5,5.5) B13(5.5,5.5) B14(6.5,5.5) C1(-6.5,4.5) C2(-5.5,4.5) C3(-4.5,4.5) C4(-3.5,4.5) C5(-2.5,4.5) C6(-1.5,4.5) C7(-0.5,4.5) C8(0.5,4.5) C9(1.5,4.5) C10(2.5,4.5) C11(3.5,4.5) C12(4.5,4.5) C13(5.5,4.5) C14(6.5,4.5) D1(-6.5,3.5) D2(-5.5,3.5) D3(-4.5,3.5) D4(-3.5,3.5) D5(-2.5,3.5) D6(-1.5,3.5) D7(-0.5,3.5) D8(0.5,3.5) D9(1.5,3.5) D10(2.5,3.5) D11(3.5,3.5) D12(4.5,3.5) D13(5.5,3.5) D14(6.5,3.5) E1(-6.5,2.5) E2(-5.5,2.5) E3(-4.5,2.5) E4(-3.5,2.5) E5(-2.5,2.5) E6(-1.5,2.5) E7(-0.5,2.5) E8(0.5,2.5) E9(1.5,2.5) E10(2.5,2.5) E11(3.5,2.5) E12(4.5,2.5) E13(5.5,2.5) E14(6.5,2.5) F1(-6.5,1.5) F2(-5.5,1.5) F3(-4.5,1.5) F4(-3.5,1.5) F5(-2.5,1.5) F6(-1.5,1.5) F7(-0.5,1.5) F8(0.5,1.5) F9(1.5,1.5) F10(2.5,1.5) F11(3.5,1.5) F12(4.5,1.5) F13(5.5,1.5) F14(6.5,1.5) G1(-6.5,0.5) G2(-5.5,0.5) G3(-4.5,0.5) G4(-3.5,0.5) G5(-2.5,0.5) G6(-1.5,0.5) G7(-0.5,0.5) G8(0.5,0.5) G9(1.5,0.5) G10(2.5,0.5) G11(3.5,0.5) G12(4.5,0.5) G13(5.5,0.5) G14(6.5,0.5) H1(-6.5,-0.5) H2(-5.5,-0.5) H3(-4.5,-0.5) H4(-3.5,-0.5) H5(-2.5,-0.5) H6(-1.5,-0.5) H7(-0.5,-0.5) H8(0.5,-0.5) H9(1.5,-0.5) H10(2.5,-0.5) H11(3.5,-0.5) H12(4.5,-0.5) H13(5.5,-0.5) H14(6.5,-0.5) J1(-6.5,-1.5) J2(-5.5,-1.5) J3(-4.5,-1.5) J4(-3.5,-1.5) J5(-2.5,-1.5) J6(-1.5,-1.5) J7(-0.5,-1.5) J8(0.5,-1.5) J9(1.5,-1.5) J10(2.5,-1.5) J11(3.5,-1.5) J12(4.5,-1.5) J13(5.5,-1.5) J14(6.5,-1.5) K1(-6.5,-2.5) K2(-5.5,-2.5) K3(-4.5,-2.5) K4(-3.5,-2.5) K5(-2.5,-2.5) K6(-1.5,-2.5) K7(-0.5,-2.5) K8(0.5,-2.5) K9(1.5,-2.5) K10(2.5,-2.5) K11(3.5,-2.5) K12(4.5,-2.5) K13(5.5,-2.5) K14(6.5,-2.5) L1(-6.5,-3.5) L2(-5.5,-3.5) L3(-4.5,-3.5) L4(-3.5,-3.5) L5(-2.5,-3.5) L6(-1.5,-3.5) L7(-0.5,-3.5) L8(0.5,-3.5) L9(1.5,-3.5) L10(2.5,-3.5) L11(3.5,-3.5) L12(4.5,-3.5) L13(5.5,-3.5) L14(6.5,-3.5) M1(-6.5,-4.5) M2(-5.5,-4.5) M3(-4.5,-4.5) M4(-3.5,-4.5) M5(-2.5,-4.5) M6(-1.5,-4.5) M7(-0.5,-4.5) M8(0.5,-4.5) M9(1.5,-4.5) M10(2.5,-4.5) M11(3.5,-4.5) M12(4.5,-4.5) M13(5.5,-4.5) M14(6.5,-4.5) N1(-6.5,-5.5) N2(-5.5,-5.5) N3(-4.5,-5.5) N4(-3.5,-5.5) N5(-2.5,-5.5) N6(-1.5,-5.5) N7(-0.5,-5.5) N8(0.5,-5.5) N9(1.5,-5.5) N10(2.5,-5.5) N11(3.5,-5.5) N12(4.5,-5.5) N13(5.5,-5.5) N14(6.5,-5.5) P1(-6.5,-6.5) P2(-5.5,-6.5) P3(-4.5,-6.5) P4(-3.5,-6.5) P5(-2.5,-6.5) P6(-1.5,-6.5) P7(-0.5,-6.5) P8(0.5,-6.5) P9(1.5,-6.5) P10(2.5,-6.5) P11(3.5,-6.5) P12(4.5,-6.5) P13(5.5,-6.5) P14(6.5,-6.5)